# Altium PCB SX-SCPCB-014-V1.1_开关控制环型LED.PcbDoc (part 1 of 2)
Units mm, origin at the board's own origin, x right, y up, seen from the top; angles counter-clockwise.
Board outline 114.98 x 95 mm, 2 copper layers (Top Layer, Bottom Layer); 91 components, 56 nets, 282 pads, 0 vias.
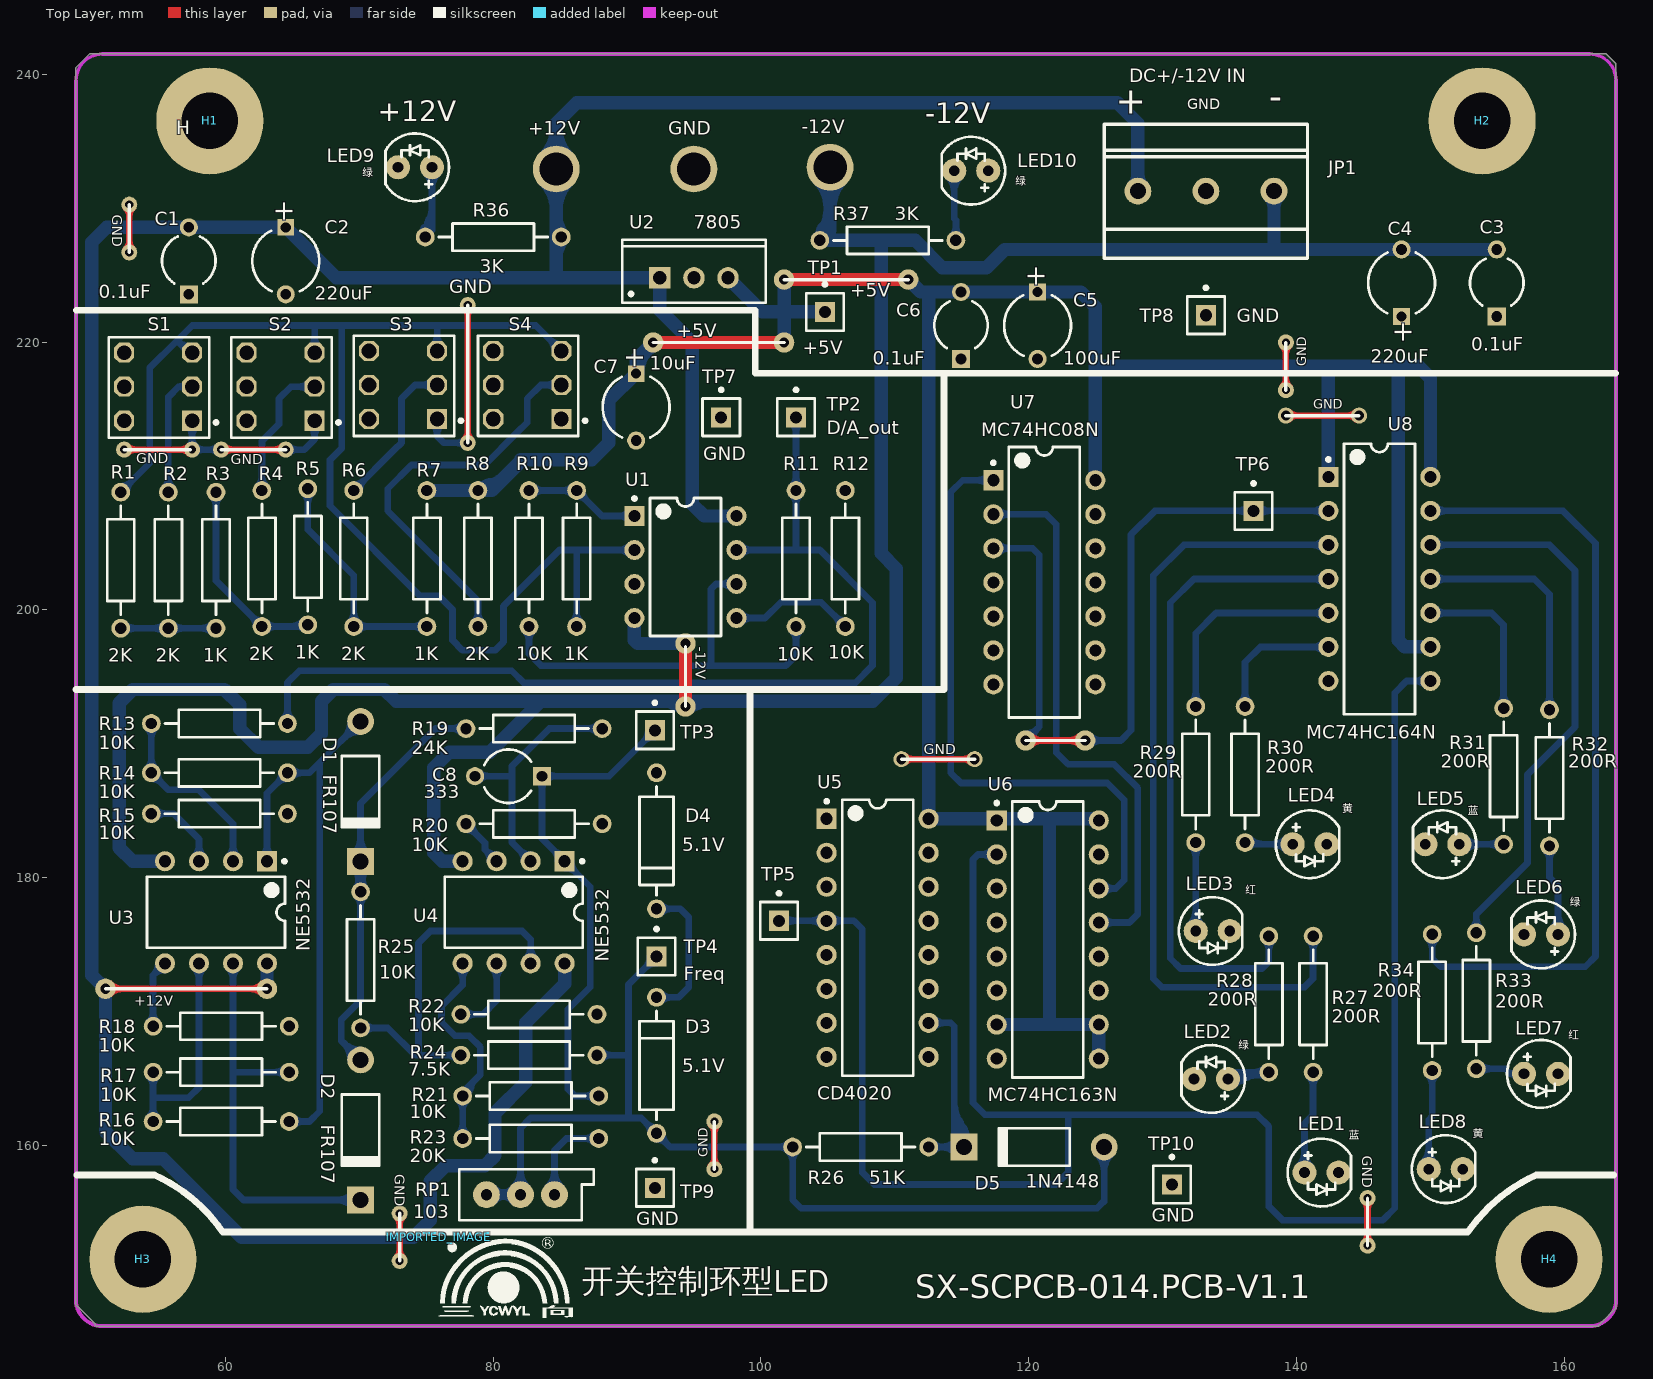
[diagram p0: Top Layer view]
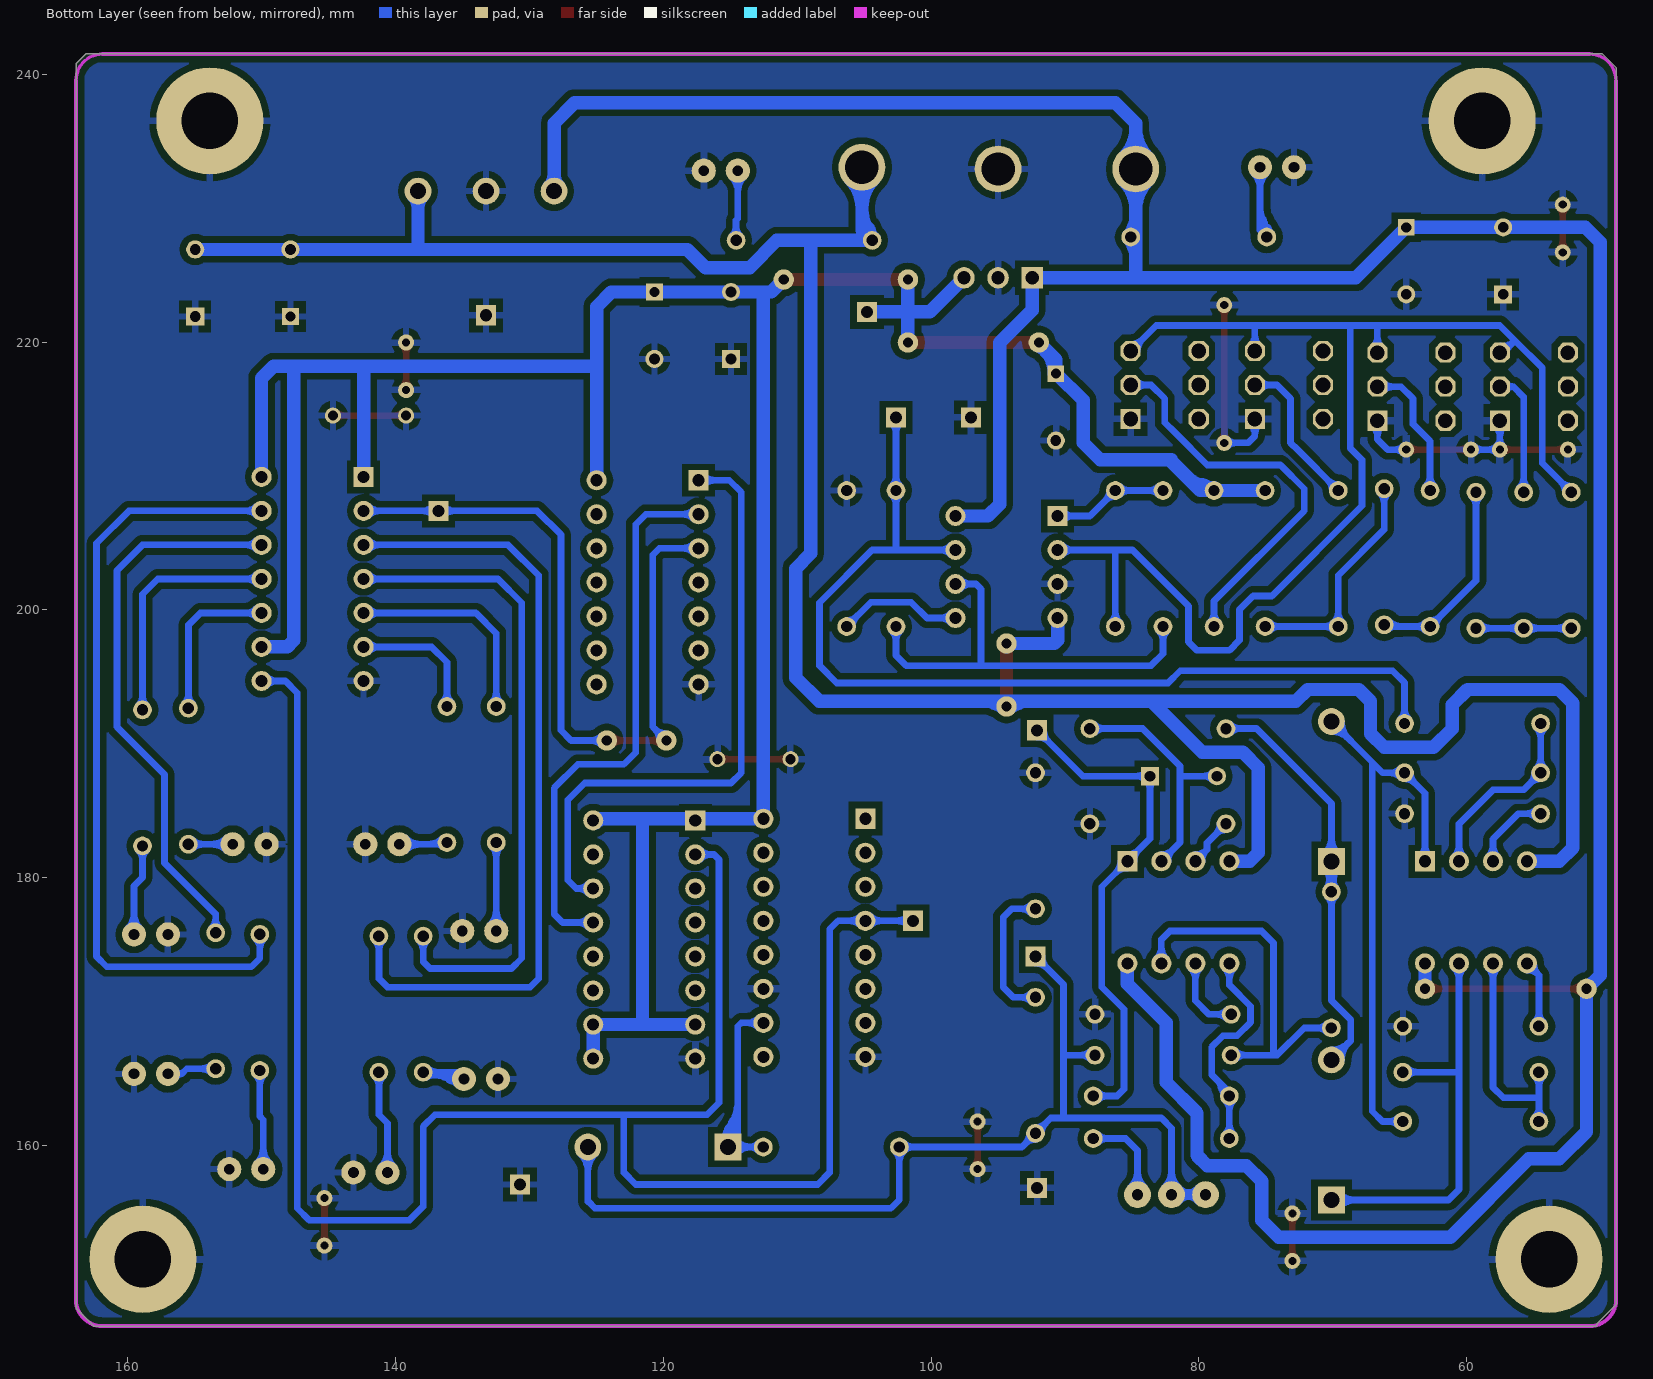
[diagram p1: Bottom Layer view, seen from below]

## Layer stack, top to bottom
Top Layer: signal copper 0.0356
Dielectric: dielectric 0.32, FR-4, Dk 4.8
Bottom Layer: signal copper 0.0356

## Board outline
50.292,146.558 50.292,146.685 48.895,148.082 48.848,148.129 48.848,149.479 48.848,240.491 49.784,241.427 49.868,241.511 51.308,241.511 163.111,241.511 163.83,240.792 163.83,239.014 163.83,147.828 162.56,146.558 162.513,146.511 161.848,146.511 50.339,146.511 50.292,146.558

## Design rules (kind name [scope] priority, off if disabled: settings)
Clearance [All] p1: gap=0.5
FabricationTestpoint [(IsPad And (OnTopLayer Or OnBottomLayer))] p1: side=3 testpointundercomponent=TRUE minsize=1.016 maxsize=2.54 preferedsize=1.524 minholesize=0 maxholesize=1.016 preferedholesize=0.813 testpointgrid=0.025 allowsidetop=TRUE allowsidebottom=TRUE usegrid=TRUE gridtolerance=0
HoleSize [All] p1: absolutevalues=TRUE maxlimit=5 minlimit=0.025 maxpercent=80.000 minpercent=20.000
PlaneConnect [All] p1: planeconnectstyle=Relief reliefexpansion=0.508 reliefentries=4 reliefconductorwidth=1 reliefairgap=0.254
PolygonConnect [All] p1: connectstyle=Relief reliefconductorwidth=0.5 reliefentries=4 polygonreliefangle="90 Angle"
RoutingLayers [All] p1: top layer_v5=FALSE bottom layer_v5=TRUE
RoutingPriority [InNetClass('电源')] p1:
RoutingVias [All] p1: holewidth=0.711 width=1.27 viastyle="Through Hole" minholewidth=0.711 minwidth=1.27 maxholewidth=0.711 maxwidth=1.27
SilkscreenOverComponentPads [All] p1: minsilkscreentomaskgap=0.254
SolderMaskExpansion [All] p1: expansion=0.102
Width Width_1 [All] p1: maxlimit=5 minlimit=0.254 preferedwidth=0.5
22 further rules are at their usual default settings.

## Classes and differential pairs
component class 开关控制环型LED: C1 C2 C3 C4 C5 C6 C7 C8 D1 D2 D3 D4 D5 LED1 LED2 LED3 LED4 LED5 LED6 LED7 LED8 LED9 LED10 R1 R2 R3 R4 R5 R6 R7 R8 R9 R10 R11 R12 R13 R14 R15 R16 R17 R18 R19 R20 R21 R22 R23 R24 R25 R26 R27 R28 R29 R30 R31 R32 R33 R34 R36 R37 RP1 S1 S2 S3 S4 TP1 TP2 TP3 TP4 TP5 TP6 TP7 TP8 TP9 TP10 U1 U2 U3 U4 U5 U6 U7 U8
net class 电源: +5V +12V -12V
net class 零地: GND
net class 信号控制: D/A_OUT FREQ NetC8_1 NetC8_2 NetD1_1 NetD1_2 NetD2_2 NetD3_1 NetD3_2 NetD5_2 NetLED1_1 NetLED2_1 NetLED3_1 NetLED4_1 NetLED5_1 NetLED6_1 NetLED7_1 NetLED8_1 NetLED9_1 NetLED10_1 NetR1_1 NetR1_2 NetR2_2 NetR3_2 NetR4_2 NetR5_2 NetR6_2 NetR8_2 NetR9_2 NetR10_1 NetR12_1 NetR13_1 NetR15_1 NetR16_1 NetR18_1 NetR20_2 NetR21_1 NetR22_2 NetR23_1 NetR24_2 NetR27_1 NetR28_1 NetR29_1 NetR30_1 NetR31_1 NetR32_1 NetR33_1 NetR34_1 NetTP5_1 NetTP6_1 NetU6_13 NetU6_14

## Components (designator, comment, footprint, x,y, rotation, side; value= is the part's Value field where it differs from the comment)
+12V "TP" 端子 84.709,232.918 r0 top
-12V "TP" 端子 105.156,233.045 r0 top
C1 "0.1uF" CAPR5-4X5 57.277,226.06 r90 top
C2 "220uF" CAPPR5-5x5 64.516,226.06 r270 top
C3 "0.1uF" CAPR5-4X5 154.94,224.409 r90 top
C4 "220uF" CAPPR5-5x5 147.828,224.409 r90 top
C5 "100uF" CAPPR5-5x5 120.65,221.234 r270 top
C6 "0.1uF" CAPR5-4X5 114.935,221.234 r90 top
C7 "10uF" CAPPR5-5x5 90.678,215.138 r270 top
C8 "333" CAPR5-4X5 81.153,187.579 r180 top
D1 "FR107" DO-41 70.104,186.436 r270 top
D2 "FR107" DO-41 70.104,161.163 r270 top
D3 "5.1V" DIODE-0.4 92.202,165.989 r90 top
D4 "5.1V" DIODE-0.4 92.202,182.753 r270 top
D5 "1N4148" DO-41 120.396,159.893 r180 top
GND "TP" 端子 94.996,232.918 r0 top
H1 "H" 定位柱#1 56.848,235.011 r0 top
H2 "H" 定位柱#2 154.848,231.511 r0 top
H3 "H" 定位柱#3 57.848,153.011 r0 top
H4 "H" 定位柱#4 153.348,153.511 r0 top
IMPORTED_IMAGE "Comment" IMPORTED_IMAGE 75.946,153.162 r0 top
JP1 "DC+/-12V IN" PIN3_5.08 138.303,231.267 r270 top
LED1 "" LED3 140.589,157.988 r0 top
LED2 "" LED3 134.874,164.973 r180 top
LED3 "" LED3 132.461,176.022 r0 top
LED4 "" LED3 139.7,182.499 r0 top
LED5 "" LED3 152.146,182.499 r180 top
LED6 "" LED3 159.512,175.768 r180 top
LED7 "" LED3 156.972,165.354 r0 top
LED8 "" LED3 149.86,158.242 r0 top
LED9 "" LED3 75.438,233.045 r180 top
LED10 "" LED3 116.967,232.791 r180 top
R1 "2K" AXIAL-0.4 52.197,203.708 r90 top
R2 "2K" AXIAL-0.4 55.753,203.708 r90 top
R3 "1K" AXIAL-0.4 59.309,203.708 r90 top
R4 "2K" AXIAL-0.4 62.738,203.835 r90 top
R5 "1K" AXIAL-0.4 66.167,203.962 r90 top
R6 "2K" AXIAL-0.4 69.596,203.835 r90 top
R7 "1K" AXIAL-0.4 75.057,203.835 r90 top
R8 "2K" AXIAL-0.4 78.867,203.835 r270 top
R9 "1K" AXIAL-0.4 86.233,203.835 r90 top
R10 "10K" AXIAL-0.4 82.677,203.835 r90 top
R11 "10K" AXIAL-0.4 102.616,203.835 r270 top
R12 "10K" AXIAL-0.4 106.299,203.835 r90 top
R13 "10K" AXIAL-0.4 59.563,191.516 r0 top
R14 "10K" AXIAL-0.4 59.563,187.833 r180 top
R15 "10K" AXIAL-0.4 59.563,184.785 r0 top
R16 "10K" AXIAL-0.4 59.69,161.798 r0 top
R17 "10K" AXIAL-0.4 59.69,165.481 r180 top
R18 "10K" AXIAL-0.4 59.69,168.91 r0 top
R19 "24K" AXIAL-0.4 83.058,191.135 r180 top
R20 "10K" AXIAL-0.4 83.058,184.023 r180 top
R21 "10K" AXIAL-0.4 82.804,163.703 r0 top
R22 "10K" AXIAL-0.4 82.677,169.799 r180 top
R23 "20K" AXIAL-0.4 82.804,160.528 r180 top
R24 "7.5K" AXIAL-0.4 82.677,166.751 r180 top
R25 "10K" AXIAL-0.4 70.104,173.863 r90 top
R26 "51K" AXIAL-0.4 107.442,159.893 r180 top
R27 "200R" AXIAL-0.4 141.224,170.561 r270 top
R28 "200R" AXIAL-0.4 137.922,170.561 r270 top
R29 "200R" AXIAL-0.4 132.461,187.706 r270 top
R30 "200R" AXIAL-0.4 136.144,187.706 r270 top
R31 "200R" AXIAL-0.4 155.448,187.579 r270 top
R32 "200R" AXIAL-0.4 158.877,187.452 r270 top
R33 "200R" AXIAL-0.4 153.416,170.815 r270 top
R34 "200R" AXIAL-0.4 150.114,170.688 r270 top
R36 "3K" AXIAL-0.4 80.01,227.838 r180 top
R37 "3K" AXIAL-0.4 109.474,227.584 r0 top
RP1 "103" 可调电位器 84.582,156.337 r90 top
S1 "SW-SPDT" 自锁开关#1 57.531,214.122 r180 top
S2 "SW-SPDT" 自锁开关#2 66.675,214.122 r180 top
S3 "SW-SPDT" 自锁开关#2 75.819,214.249 r180 top
S4 "SW-SPDT" 自锁开关#2 85.09,214.249 r180 top
TP1 "+5V" PIN1 104.775,222.25 r0 top
TP2 "D/A_out" PIN1 102.616,214.376 r0 top
TP3 "" PIN1 92.075,191.008 r0 top
TP4 "" PIN1 92.202,174.117 r0 top
TP5 "" PIN1 101.346,176.784 r0 top
TP6 "" PIN1 136.779,207.391 r0 top
TP7 "GND" PIN1 97.028,214.376 r0 top
TP8 "GND" PIN1 133.223,221.996 r0 top
TP9 "GND" PIN1 92.075,156.845 r0 top
TP10 "GND" PIN1 130.683,157.099 r0 top
U1 "NE5532" DIP-8 94.361,203.2 r0 top
U2 "7805" TO-220AB 94.996,224.79 r0 top
U3 "NE5532" DIP-8 59.309,177.419 r270 top
U4 "NE5532" DIP-8 81.534,177.419 r270 top
U5 "CD4020" DIP-16 108.712,175.514 r0 top
U6 "MC74HC163N" DIP-16 121.412,175.387 r0 top
U7 "MC74HC08N" DIP-14 121.158,202.057 r0 top
U8 "MC74HC164N" DIP-14 146.177,202.311 r0 top

## Footprints (in the part's own frame and the unit in brackets; to place one, negate y for a bottom-side part, rotate by r counter-clockwise, add the part's x,y. Pads: shape width x height; smd on the part's side, far side on the other; paste and mask are expansions set on the pad)
AXIAL-0.4 [mm] "Axial Devic"
  round 1.4 hole 0.85: 1(-5.08,0) 2(5.08,0)
  silkscreen extent -4.06,-1.02 4.06,1.02
CAPPR5-5x5 [mm] "Capacitor, Electrolytic,"
  rect 1.25x1.25 hole 0.75: 1(-2.5,0)
  round 1.35 hole 0.8: 2(2.5,0)
  silkscreen extent -2.26,-2.5 2.27,2.5
CAPR5-4X5 [mm]
  rect 1.35x1.35 hole 0.8: 1(-2.5,0)
  round 1.35 hole 0.8: 2(2.5,0)
  silkscreen extent -1.69,-2 1.82,2
DIODE-0.4 [mm] "Diode, Th"
  round 1.4 hole 0.85: 1(-5.08,0) 2(5.08,0)
  silkscreen extent -4.06,-1.27 4.06,1.27
DIP-8 [mm] "DIP; 8"
  rect 1.5x1.5 hole 0.9: 1(-3.81,3.81)
  round 1.5 hole 0.9: 2(-3.81,1.27) 3(-3.81,-1.27) 4(-3.81,-3.81) 5(3.81,-3.81) 6(3.81,-1.27) 7(3.81,1.27) 8(3.81,3.81)
  silkscreen extent -3.93,-5.15 2.65,5.23, body extent -3.6,-5.15 3.6,5.15, height 5.08
DIP-14 [mm] "DIP; 14"
  rect 1.5x1.5 hole 0.9: 1(-3.81,7.62)
  round 1.5 hole 0.9: 2(-3.81,5.08) 3(-3.81,2.54) 4(-3.81,0) 5(-3.81,-2.54) 6(-3.81,-5.08) 7(-3.81,-7.62) 8(3.81,-7.62) 9(3.81,-5.08) 10(3.81,-2.54) 11(3.81,0) 12(3.81,2.54) 13(3.81,5.08) 14(3.81,7.62)
  silkscreen extent -3.93,-10.1 2.65,10.1, body extent -3.6,-10.1 3.6,10.1, height 5.08
DIP-16 [mm] "DIP; 16"
  rect 1.5x1.5 hole 0.9: 1(-3.81,8.89)
  round 1.5 hole 0.9: 2(-3.81,6.35) 3(-3.81,3.81) 4(-3.81,1.27) 5(-3.81,-1.27) 6(-3.81,-3.81) 7(-3.81,-6.35) 8(-3.81,-8.89) 9(3.81,-8.89) 10(3.81,-6.35) 11(3.81,-3.81) 12(3.81,-1.27) 13(3.81,1.27) 14(3.81,3.81) 15(3.81,6.35) 16(3.81,8.89)
  silkscreen extent -3.93,-10.3 2.65,10.31, body extent -3.6,-10.28 3.6,10.28, height 5.08
DO-41 [mm] "Diode, Axial; Body 5.2 x 2.7"
  round 2 hole 1.2: 1(-5.23,0)
  rect 2x2 hole 1.2: 2(5.23,0)
  silkscreen extent -2.65,-1.4 2.75,1.4
IMPORTED_IMAGE [mm]
  silkscreen extent 0,-6 10,0
LED3 [mm]
  round 1.8 hole 0.8: 1(0,0) 2(2.54,0)
  silkscreen extent -1.26,-2.53 3.47,2.53
PIN1 [mm]
  rect 1.5x1.5 hole 0.9: 1(0,0)
  silkscreen extent -1.4,-1.4 1.4,2.17
PIN3_5.08 [mm]
  round 2 hole 1.2: 1(0,-10.16) 2(0,-5.08) 3(0,0)
  silkscreen extent -5,-12.66 5,2.5
TO-220AB [mm] "TO, Thru-Hole, Vertical, Heatsin"
  rect 1.6x1.6 hole 1: 1(-2.54,0)
  round 1.6 hole 1: 2(0,0) 3(2.54,0)
  silkscreen extent -5.35,-1.85 5.35,2.85, body extent -5.4,-1.9 5.4,2.9, height 19.3
可调电位器 [mm]
  round 2 hole 0.85: 1(0,0) 2(0,2.54) 3(0,5.08)
  silkscreen extent -1.91,-2.92 1.91,7.11
定位柱#1 [mm]
  round 8 hole 4.2: 1(2,1.5)
定位柱#2 [mm]
  round 8 hole 4.2: 1(-1,5)
定位柱#3 [mm]
  round 8 hole 4.2: 1(-4,-1.5)
定位柱#4 [mm]
  round 8 hole 4.2: 1(5.5,-2)
端子 [mm]
  round 3.5 hole 2.5: 1(0,0)
自锁开关#1 [mil]
  oct 59x59 hole 43.31: 1(0,-200) 2(0,-100) 4(200,-200) 5(200,-100) 6(200,0)
  rect 59x59 hole 43.31: 3(0,0)
  silkscreen extent -75,-245 245,50
自锁开关#2 [mil]
  oct 59x59 hole 43.31: 1(0,-100) 2(0,-200) 4(200,-200) 5(200,-100) 6(200,0)
  rect 59x59 hole 43.31: 3(0,0)
  silkscreen extent -75,-245 245,50

## Part data
C2 C4 C5 C7: library part "Cap Pol2", "Polarized Capacitor (Axial)"
D1 D2 D5: library part "Diode 1N4007", "1 Amp General Purpose Rectifier"
D3 D4: library part "D Zener", "Zener Diode"
R1 R2 R3 R4 R5 R6 R7 R8 R9 R10 R11 R12 R13 R14 R15 R16 R17 R18 R19 R20 R21 R22 R23 R24 R25 R26 R27 R28 R29 R30 R31 R32 R33 R34 R36 R37: library part Res2, "Resistor"
TP1 TP2 TP3 TP4 TP5 TP6 TP7 TP8 TP9 TP10: library part Antenna
U1 U3 U4: library part NE5532AJG, "Dual Low-Noise Operational Amplifier"
U2: library part "Volt Reg", "Voltage Regulator"
U5: library part HCC4020BF, "14-Stage Ripple-Carry Binary Counter/Divider"
U6: "Presettable 4-Bit Binary Counter with Synchronous Reset"
U7: library part MM74HC08N, "Quad 2-Input AND Gate"
U8: "8-Bit Serial-Input/Parallel-Output Shift Register"

## Free pads (board coordinates)
  round 1.524 hole 0.762: 0(91.948,219.964) 0(119.761,190.246) 1(101.727,219.964) 1(124.206,190.246) 2(101.727,224.663) 3(110.998,224.663) 4(94.361,197.485) 5(94.361,192.786) 6(51.054,171.704) 7(63.119,171.704)
  round 1.2 hole 0.762: 0(110.49,188.849) 0(139.192,214.503) 1(115.951,188.849) 1(144.653,214.503)
  round 1.2 hole 0.6: 2(52.451,211.963) 2(52.832,226.695) 2(52.832,230.251) 2(57.531,211.963) 2(59.69,211.963) 2(64.516,211.963) 2(73.025,151.384) 2(73.025,154.94) 2(78.105,212.471) 2(78.105,222.758) 2(96.52,158.242) 2(96.52,161.798) 2(139.192,216.408) 2(139.192,219.964) 2(145.288,152.527) 2(145.288,156.083)

## Nets (pads, with @x,y where several pads share a name; then routed paths per layer and width w, separated by ;. In a path a pad name is that pad's centre, name@x,y a point inside that pad or via, vN(x,y) a via of type N, cw(c..) or ccw(c..) an arc to the next point about the centre after c; other vN are vias at no path point)
+5V: C5.1 C6.2 C7.1 pad.0@91.948,219.964 pad.1@101.727,219.964 pad.2@101.727,224.663 pad.3 R7.2 R8.1 TP1.1 U2.3 U5.16 U6.1 U6.7 U6.9 U6.10 U6.16 U7.14 U8.1 U8.9 U8.14 | length 241.2
  Top Layer w1: pad.0@91.821,219.964 pad.1@101.727,219.964 ; pad.2@101.727,224.663 pad.3@110.998,224.663
  Bottom Layer w1: R7.2@75.057,208.915 79.883,208.915 82.042,211.074 82.042,211.201 87.376,211.201 88.646,212.471 88.646,215.646 90.638,217.638 C7.1@90.678,217.638 90.678,218.694 pad.0@91.948,219.964 ; R8.1@79.04,208.815 cw(c80.03,208.244) 79.734,209.347 ; 91.397,219.236 cw(c92.28,218.726) pad.0@92.016,219.711 ; U2.3@97.536,224.79 100.076,222.25 TP1.1@104.775,222.25 ; pad.1@101.727,219.964 pad.2@101.727,224.663 ; pad.3@110.998,224.663 111.927,223.734 123.865,223.734 124.968,222.631 U7.14@124.968,209.677 ; 112.522,223.734 U5.16@112.522,184.404 125.095,184.404 U6.16@125.222,184.277 ; U6.7@117.602,169.037 U6.10@125.222,169.037 U6.9@125.222,166.497 ; 121.539,169.037 121.539,184.404 ; 124.968,218.186 149.098,218.186 149.987,217.297 U8.14@149.987,209.931 ; U8.1@142.367,209.931 142.367,218.059 ; 147.574,218.186 147.574,197.739 148.082,197.231 U8.9@149.987,197.231 ; R8.1@78.867,209.115 ccw(c78.867,212.051) 80.943,209.975 cw(c78.867,212.051) R8.1@78.867,209.115 ; C7.1@90.803,217.638 cw(c93.654,217.638) 91.638,219.654 ccw(c93.654,217.638) C7.1@90.803,217.638 ; 116.692,184.404 cw(c116.692,183.367) 117.425,184.1 ccw(c116.692,183.367) 116.692,184.404 ; U6.1@117.779,184.1 cw(c118.512,183.367) 118.512,184.404 ccw(c118.512,183.367) U6.1@117.779,184.1 ; 124.312,184.404 cw(c124.312,183.367) 125.045,184.1 ccw(c124.312,183.367) 124.312,184.404
+12V: +12V.1 C1.2 C2.1 JP1.1 pad.6 pad.7 R36.1 U1.8 U2.1 U3.8 U4.8 | length 299.5
  Top Layer w0.5: pad.6@51.054,171.704 pad.7@63.119,171.704 ; 52.29,171.704 cw(c52.29,172.94) 51.416,172.066 ccw(c52.29,172.94) 52.29,171.704 ; 52.29,171.704 ccw(c52.29,170.468) 51.416,171.342 cw(c52.29,170.468) 52.29,171.704 ; 61.883,171.704 cw(c61.883,170.468) 62.757,171.342 ccw(c61.883,170.468) 61.883,171.704 ; 61.883,171.704 ccw(c61.883,172.94) 62.757,172.066 cw(c61.883,172.94) 61.883,171.704
  Bottom Layer w1: pad.7@63.119,171.704 U3.8@63.119,173.609 ; 84.709,224.79 84.709,236.347 86.233,237.871 126.619,237.871 128.143,236.347 JP1.1@128.143,231.267 ; R36.1@84.709,228.219 R36.1@85.09,227.838 ; 84.826,226.994 ccw(c84.007,227.466) R36.1@84.901,227.773 ; 84.826,228.682 cw(c84.007,228.21) R36.1@84.901,227.903 ; U4.8@85.344,173.609 85.344,172.085 82.423,169.164 82.423,164.719 80.137,162.433 80.137,159.258 79.375,158.496 76.454,158.496 75.311,157.353 75.311,154.432 74.041,153.162 61.214,153.162 55.372,159.004 53.086,159.004 51.054,161.036 pad.6@51.054,171.704 50.038,172.72 50.038,227.457 51.141,228.56 C2.1@64.516,228.56 68.286,224.79 U2.1@92.456,224.79 92.456,222.377 94.869,219.964 94.869,207.899 95.758,207.01 U1.8@98.171,207.01 ; 84.709,229.9 cw(c87.727,229.9) 85.593,232.034 ccw(c87.727,229.9) 84.709,229.9 ; 84.709,229.9 ccw(c81.691,229.9) 83.825,232.034 cw(c81.691,229.9) 84.709,229.9 ; 84.709,235.936 cw(c81.691,235.936) 83.825,233.802 ccw(c81.691,235.936) 84.709,235.936 ; 84.709,235.936 ccw(c87.727,235.936) 85.593,233.802 cw(c87.727,235.936) 84.709,235.936 ; 128.143,232.474 cw(c126.936,232.474) 127.789,231.621 ccw(c126.936,232.474) 128.143,232.474 ; 128.143,232.474 ccw(c129.35,232.474) 128.497,231.621 cw(c129.35,232.474) 128.143,232.474 ; 84.709,226.435 cw(c86.493,226.435) 85.231,227.697 ccw(c86.493,226.435) 84.709,226.435 ; 84.709,229.241 ccw(c86.493,229.241) 85.231,227.979 cw(c86.493,229.241) 84.709,229.241
-12V: -12V.1 C3.2 C4.2 JP1.3 pad.4 pad.5 R37.1 U1.4 U3.4 U4.4 | length 231.1
  Top Layer w1: pad.5@94.361,192.786 pad.4@94.361,197.231
  Bottom Layer w1: U3.4@55.499,181.229 53.086,181.229 52.07,182.245 52.07,193.04 53.086,194.056 59.944,194.056 61.087,192.913 61.087,191.135 62.484,189.738 66.167,189.738 67.183,190.754 67.183,193.167 68.072,194.056 71.882,194.056 72.771,193.167 83.566,193.167 ; U4.4@77.724,181.229 76.2,181.229 75.565,181.864 75.565,188.214 76.708,189.357 79.756,189.357 83.566,193.167 ; U1.4@90.551,199.39 90.551,197.739 90.805,197.485 94.107,197.485 pad.4@94.361,197.231 ; 93.436,193.028 ccw(c93.846,193.739) pad.5@94.237,193.017 ; pad.5@94.485,193.017 ccw(c94.876,193.739) 95.286,193.028 ; R37.1@104.587,227.636 cw(c105.691,227.931) 104.701,228.503 ; -12V.1@105.156,233.045 105.156,228.346 R37.1@104.394,227.584 108.966,227.584 ; JP1.3@138.303,231.267 138.303,226.909 ; C3.2@154.94,226.909 C4.2@147.828,226.909 138.303,226.909 ; 83.566,193.167 108.331,193.167 110.109,194.945 110.109,203.073 108.966,204.216 108.966,227.584 ; 105.156,230.027 cw(c108.174,230.027) 106.04,232.161 ccw(c108.174,230.027) 105.156,230.027 ; 105.156,230.027 ccw(c102.138,230.027) 104.272,232.161 cw(c102.138,230.027) 105.156,230.027 ; 108.966,227.584 111.506,227.584 113.538,225.552 116.84,225.552 118.197,226.909 138.303,226.909 ; 138.303,230.06 cw(c139.51,230.06) 138.657,230.913 ccw(c139.51,230.06) 138.303,230.06 ; 138.303,230.06 ccw(c137.096,230.06) 137.949,230.913 cw(c137.096,230.06) 138.303,230.06 ; 92.809,193.167 cw(c92.809,191.234) 94.176,192.601 ccw(c92.809,191.234) 92.809,193.167 ; pad.5@94.546,192.601 cw(c95.913,191.234) 95.913,193.167 ccw(c95.913,191.234) pad.5@94.546,192.601 ; R37.1@104.253,227.725 ccw(c102.072,229.906) 105.156,229.906 cw(c102.072,229.906) R37.1@104.253,227.725
D/A_OUT: R11.1 R13.2 TP2.1 U1.7 | length 92.1
  Bottom Layer w0.5: R13.2@64.643,191.516 64.643,194.564 65.532,195.453 81.387,195.453 82.296,194.544 107.041,194.544 108.331,195.834 108.331,200.533 104.394,204.47 U1.7@98.171,204.47 ; 102.616,204.597 R11.1@102.616,208.915 TP2.1@102.616,214.376 ; 64.643,192.602 cw(c63.557,192.602) 64.325,191.834 ccw(c63.557,192.602) 64.643,192.602 ; 64.643,192.602 ccw(c65.729,192.602) 64.961,191.834 cw(c65.729,192.602) 64.643,192.602 ; 99.378,204.47 cw(c99.378,205.677) 98.525,204.824 ccw(c99.378,205.677) 99.378,204.47 ; 99.378,204.47 ccw(c99.378,203.263) 98.525,204.116 cw(c99.378,203.263) 99.378,204.47 ; 102.616,207.829 cw(c103.702,207.829) 102.934,208.597 ccw(c103.702,207.829) 102.616,207.829 ; 102.616,207.829 ccw(c101.53,207.829) 102.298,208.597 cw(c101.53,207.829) 102.616,207.829 ; 102.616,210.001 cw(c101.53,210.001) 102.298,209.233 ccw(c101.53,210.001) 102.616,210.001 ; 102.616,210.001 ccw(c103.702,210.001) 102.934,209.233 cw(c103.702,210.001) 102.616,210.001 ; 102.616,213.169 cw(c103.823,213.169) 102.97,214.022 ccw(c103.823,213.169) 102.616,213.169 ; 102.616,213.169 ccw(c101.409,213.169) 102.262,214.022 cw(c101.409,213.169) 102.616,213.169
FREQ: D3.1 D5.1 R24.1 R26.2 RP1.2 RP1.3 TP4.1 | length 129.6
  Bottom Layer w0.5: RP1.3@79.502,156.337 RP1.2@82.042,156.337 82.042,161.29 82.804,162.052 90.17,162.052 ; RP1.3@80.124,155.918 cw(c80.655,155.561) 80.821,156.179 cw(c81.098,157.213) RP1.3@80.159,156.698 ; RP1.3@80.124,156.756 ccw(c80.655,157.113) 80.821,156.495 ccw(c81.098,155.461) RP1.3@80.159,155.976 ; R24.1@87.757,166.751 90.106,166.751 ; TP4.1@92.202,174.117 90.106,172.022 90.106,166.751 ; 125.626,155.829 D5.1@125.626,159.893 ; 125.626,155.852 125.095,155.321 102.997,155.321 102.362,155.956 R26.2@102.362,159.893 93.218,159.893 D3.1@92.202,160.909 91.059,162.052 90.17,162.052 ; RP1.3@80.231,156.337 cw(c80.231,154.526) 81.512,155.807 ccw(c80.231,154.526) RP1.3@80.231,156.337 ; RP1.3@80.231,156.337 ccw(c80.231,158.148) RP1.2@81.512,156.867 ; RP1.3@80.231,156.337 ccw(c80.231,158.148) RP1.2@81.512,156.867 ; 80.723,156.179 ccw(c80.446,157.213) 81.385,156.698 cw(c80.446,157.213) 80.723,156.179 ; 80.723,156.179 cw(c80.889,155.561) 81.42,155.918 ccw(c80.889,155.561) 80.723,156.179 ; 80.723,156.495 ccw(c80.889,157.113) 81.42,156.756 cw(c80.889,157.113) 80.723,156.495 ; 80.723,156.495 cw(c80.446,155.461) 81.385,155.976 ccw(c80.446,155.461) 80.723,156.495 ; RP1.2@81.313,156.337 cw(c81.313,158.148) 80.032,156.867 ccw(c81.313,158.148) RP1.2@81.313,156.337 ; RP1.2@81.313,156.337 ccw(c81.313,154.526) 80.032,155.807 cw(c81.313,154.526) RP1.2@81.313,156.337 ; RP1.2@81.512,156.867 ccw(c80.231,158.148) 82.042,158.148 ; RP1.2@81.512,156.867 ccw(c80.231,158.148) 82.042,158.148 ; 82.042,158.148 ccw(c83.853,158.148) 82.572,156.867 cw(c83.853,158.148) 82.042,158.148 ; 88.843,166.751 cw(c88.843,167.837) 88.075,167.069 ccw(c88.843,167.837) 88.843,166.751 ; 88.843,166.751 ccw(c88.843,165.665) 88.075,166.433 cw(c88.843,165.665) 88.843,166.751 ; 90.106,166.751 90.106,162.115 90.17,162.052 ; 91.348,173.263 cw(c92.202,172.41) 92.202,173.617 ccw(c92.202,172.41) 91.348,173.263 ; 91.348,173.263 ccw(c90.495,174.117) 91.702,174.117 cw(c90.495,174.117) 91.348,173.263 ; 91.434,161.677 cw(c90.666,160.909) 91.752,160.909 ccw(c90.666,160.909) 91.434,161.677 ; 91.434,161.677 ccw(c92.202,162.445) 92.202,161.359 cw(c92.202,162.445) 91.434,161.677 ; 92.97,160.141 cw(c93.738,160.909) 92.652,160.909 ccw(c93.738,160.909) 92.97,160.141 ; 92.97,160.141 ccw(c92.202,159.373) 92.202,160.459 cw(c92.202,159.373) 92.97,160.141 ; 101.276,159.893 cw(c101.276,158.807) R26.2@102.044,159.575 ; 101.276,159.893 ccw(c101.276,160.979) 102.044,160.211 cw(c101.276,160.979) 101.276,159.893 ; 101.276,159.893 cw(c101.276,158.807) R26.2@102.044,159.575 ; R26.2@102.044,159.575 cw(c101.276,158.807) 102.362,158.807 ; R26.2@102.044,159.575 cw(c101.276,158.807) 102.362,158.807 ; 102.362,158.807 cw(c103.448,158.807) 102.68,159.575 ccw(c103.448,158.807) 102.362,158.807 ; 125.626,158.082 cw(c127.437,158.082) 126.156,159.363 ccw(c127.437,158.082) 125.626,158.082 ; 125.626,158.082 ccw(c123.815,158.082) 125.096,159.363 cw(c123.815,158.082) 125.626,158.082
GND: C1.1 C2.2 C3.1 C4.1 C5.2 C6.1 C7.2 D4.1 GND.1 H1.1 H2.1 H3.1 H4.1 JP1.2 LED1.2 LED2.2 LED3.2 LED4.2 LED5.2 LED6.2 LED7.2 LED8.2 LED9.2 LED10.1 pad.0@110.49,188.849 pad.0@139.192,214.503 pad.1@115.951,188.849 pad.1@144.653,214.503 pad.2@52.451,211.963 pad.2@52.832,226.695 pad.2@52.832,230.251 pad.2@57.531,211.963 pad.2@59.69,211.963 pad.2@64.516,211.963 pad.2@73.025,151.384 pad.2@73.025,154.94 pad.2@78.105,212.471 pad.2@78.105,222.758 pad.2@96.52,158.242 pad.2@96.52,161.798 pad.2@139.192,216.408 pad.2@139.192,219.964 pad.2@145.288,152.527 pad.2@145.288,156.083 R12.2 R15.2 R18.2 R20.1 R22.1 S1.3 S2.3 S3.3 S4.3 TP7.1 TP8.1 TP9.1 TP10.1 U1.3 U2.2 U5.8 U5.11 U6.8 U7.7 U8.7 | length 138.6
  Top Layer w0.5: pad.2@52.451,211.963 pad.2@57.531,211.963 ; pad.2@52.832,226.695 pad.2@52.832,230.251 ; pad.2@59.69,211.963 pad.2@64.516,211.963 ; pad.2@73.025,151.384 pad.2@73.025,154.94 ; pad.2@78.105,212.471 pad.2@78.105,222.758 ; pad.2@96.52,158.242 pad.2@96.52,161.798 ; pad.0@110.49,188.849 pad.1@115.951,188.849 ; pad.0@139.192,214.503 pad.1@144.653,214.503 ; pad.2@139.192,216.408 pad.2@139.192,219.964 ; pad.2@145.288,152.527 pad.2@145.288,156.083 ; 52.832,227.54 cw(c51.987,227.54) 52.585,226.942 ccw(c51.987,227.54) 52.832,227.54 ; 52.832,227.54 ccw(c53.677,227.54) 53.079,226.942 cw(c53.677,227.54) 52.832,227.54 ; 52.832,229.406 cw(c53.677,229.406) 53.079,230.004 ccw(c53.677,229.406) 52.832,229.406 ; 52.832,229.406 ccw(c51.987,229.406) 52.585,230.004 cw(c51.987,229.406) 52.832,229.406 ; 53.296,211.963 cw(c53.296,212.808) 52.698,212.21 ccw(c53.296,212.808) 53.296,211.963 ; 53.296,211.963 ccw(c53.296,211.118) 52.698,211.716 cw(c53.296,211.118) 53.296,211.963 ; 56.686,211.963 cw(c56.686,211.118) 57.284,211.716 ccw(c56.686,211.118) 56.686,211.963 ; 56.686,211.963 ccw(c56.686,212.808) 57.284,212.21 cw(c56.686,212.808) 56.686,211.963 ; 60.535,211.963 cw(c60.535,212.808) 59.937,212.21 ccw(c60.535,212.808) 60.535,211.963 ; 60.535,211.963 ccw(c60.535,211.118) 59.937,211.716 cw(c60.535,211.118) 60.535,211.963 ; 63.671,211.963 cw(c63.671,211.118) 64.269,211.716 ccw(c63.671,211.118) 63.671,211.963 ; 63.671,211.963 ccw(c63.671,212.808) 64.269,212.21 cw(c63.671,212.808) 63.671,211.963 ; 73.025,152.229 cw(c72.18,152.229) 72.778,151.631 ccw(c72.18,152.229) 73.025,152.229 ; 73.025,152.229 ccw(c73.87,152.229) 73.272,151.631 cw(c73.87,152.229) 73.025,152.229 ; 73.025,154.095 cw(c73.87,154.095) 73.272,154.693 ccw(c73.87,154.095) 73.025,154.095 ; 73.025,154.095 ccw(c72.18,154.095) 72.778,154.693 cw(c72.18,154.095) 73.025,154.095 ; 78.105,213.316 cw(c77.26,213.316) 77.858,212.718 ccw(c77.26,213.316) 78.105,213.316 ; 78.105,213.316 ccw(c78.95,213.316) 78.352,212.718 cw(c78.95,213.316) 78.105,213.316 ; 78.105,221.913 cw(c78.95,221.913) 78.352,222.511 ccw(c78.95,221.913) 78.105,221.913 ; 78.105,221.913 ccw(c77.26,221.913) 77.858,222.511 cw(c77.26,221.913) 78.105,221.913 ; 96.52,159.087 cw(c95.675,159.087) 96.273,158.489 ccw(c95.675,159.087) 96.52,159.087 ; 96.52,159.087 ccw(c97.365,159.087) 96.767,158.489 cw(c97.365,159.087) 96.52,159.087 ; 96.52,160.953 cw(c97.365,160.953) 96.767,161.551 ccw(c97.365,160.953) 96.52,160.953 ; 96.52,160.953 ccw(c95.675,160.953) 96.273,161.551 cw(c95.675,160.953) 96.52,160.953 ; 111.335,188.849 cw(c111.335,189.694) 110.737,189.096 ccw(c111.335,189.694) 111.335,188.849 ; 111.335,188.849 ccw(c111.335,188.004) 110.737,188.602 cw(c111.335,188.004) 111.335,188.849 ; 115.106,188.849 cw(c115.106,188.004) 115.704,188.602 ccw(c115.106,188.004) 115.106,188.849 ; 115.106,188.849 ccw(c115.106,189.694) 115.704,189.096 cw(c115.106,189.694) 115.106,188.849 ; 139.192,217.253 cw(c138.347,217.253) 138.945,216.655 ccw(c138.347,217.253) 139.192,217.253 ; 139.192,217.253 ccw(c140.037,217.253) 139.439,216.655 cw(c140.037,217.253) 139.192,217.253 ; 139.192,219.119 cw(c140.037,219.119) 139.439,219.717 ccw(c140.037,219.119) 139.192,219.119 ; 139.192,219.119 ccw(c138.347,219.119) 138.945,219.717 cw(c138.347,219.119) 139.192,219.119 ; 140.037,214.503 cw(c140.037,215.348) 139.439,214.75 ccw(c140.037,215.348) 140.037,214.503 ; 140.037,214.503 ccw(c140.037,213.658) 139.439,214.256 cw(c140.037,213.658) 140.037,214.503 ; 143.808,214.503 cw(c143.808,213.658) 144.406,214.256 ccw(c143.808,213.658) 143.808,214.503 ; 143.808,214.503 ccw(c143.808,215.348) 144.406,214.75 cw(c143.808,215.348) 143.808,214.503 ; 145.288,153.372 cw(c144.443,153.372) 145.041,152.774 ccw(c144.443,153.372) 145.288,153.372 ; 145.288,153.372 ccw(c146.133,153.372) 145.535,152.774 cw(c146.133,153.372) 145.288,153.372 ; 145.288,155.238 cw(c146.133,155.238) 145.535,155.836 ccw(c146.133,155.238) 145.288,155.238 ; 145.288,155.238 ccw(c144.443,155.238) 145.041,155.836 cw(c144.443,155.238) 145.288,155.238
  Bottom Layer w0.5: S1.3@57.531,214.122 pad.2@57.531,211.963 pad.2@59.69,211.963 ; pad.2@64.516,211.963 65.909,211.963 66.675,212.729 S2.3@66.675,214.122 ; S3.3@75.819,214.249 75.819,212.979 76.327,212.471 pad.2@78.105,212.471 ; 57.531,212.808 cw(c56.686,212.808) 57.284,212.21 ccw(c56.686,212.808) 57.531,212.808 ; 57.531,212.808 ccw(c58.376,212.808) pad.2@57.778,212.21 ; 57.531,212.808 ccw(c58.376,212.808) pad.2@57.778,212.21 ; 57.531,212.917 cw(c58.736,212.917) 57.884,213.769 ccw(c58.736,212.917) 57.531,212.917 ; 57.531,212.917 ccw(c56.326,212.917) 57.178,213.769 cw(c56.326,212.917) 57.531,212.917 ; pad.2@57.778,212.21 ccw(c58.376,212.808) 58.376,211.963 ; pad.2@57.778,212.21 ccw(c58.376,212.808) 58.376,211.963 ; 58.376,211.963 ccw(c58.376,211.118) 57.778,211.716 cw(c58.376,211.118) 58.376,211.963 ; 58.845,211.963 cw(c58.845,211.118) 59.443,211.716 ccw(c58.845,211.118) 58.845,211.963 ; 58.845,211.963 ccw(c58.845,212.808) 59.443,212.21 cw(c58.845,212.808) 58.845,211.963 ; 65.361,211.963 cw(c65.361,212.808) 64.763,212.21 ccw(c65.361,212.808) 65.361,211.963 ; 65.361,211.963 ccw(c65.361,211.118) 64.763,211.716 cw(c65.361,211.118) 65.361,211.963 ; 66.675,212.917 cw(c67.88,212.917) 67.028,213.769 ccw(c67.88,212.917) 66.675,212.917 ; 66.675,212.917 ccw(c65.47,212.917) 66.322,213.769 cw(c65.47,212.917) 66.675,212.917 ; 75.819,213.044 cw(c77.024,213.044) 76.172,213.896 ccw(c77.024,213.044) 75.819,213.044 ; 75.819,213.044 ccw(c74.614,213.044) 75.466,213.896 cw(c74.614,213.044) 75.819,213.044 ; 77.26,212.471 cw(c77.26,211.626) 77.858,212.224 ccw(c77.26,211.626) 77.26,212.471 ; 77.26,212.471 ccw(c77.26,213.316) 77.858,212.718 cw(c77.26,213.316) 77.26,212.471
NetC8_1: C8.1 R21.2 TP3.1 U4.1 | length 59.1
  Bottom Layer w0.5: R21.2@87.884,163.703 86.106,163.703 85.598,164.211 85.598,170.18 87.249,171.831 87.249,179.324 U4.1@85.344,181.229 83.653,182.92 C8.1@83.653,187.579 88.646,187.579 TP3.1@92.075,191.008 ; 83.653,186.553 cw(c84.679,186.553) C8.1@83.954,187.278 ; 83.653,186.553 ccw(c82.627,186.553) 83.353,187.278 cw(c82.627,186.553) 83.653,186.553 ; 83.653,186.553 cw(c84.679,186.553) C8.1@83.954,187.278 ; C8.1@83.954,187.278 cw(c84.679,186.553) 84.679,187.579 ; C8.1@83.954,187.278 cw(c84.679,186.553) 84.679,187.579 ; 84.49,182.083 cw(c83.637,181.229) 84.844,181.229 ccw(c83.637,181.229) 84.49,182.083 ; 84.49,182.083 ccw(c85.344,182.936) 85.344,181.729 cw(c85.344,182.936) 84.49,182.083 ; 84.679,187.579 cw(c84.679,188.605) 83.954,187.88 ccw(c84.679,188.605) 84.679,187.579 ; 86.198,180.375 cw(c87.051,181.229) 85.844,181.229 ccw(c87.051,181.229) 86.198,180.375 ; 86.198,180.375 ccw(c85.344,179.522) 85.344,180.729 cw(c85.344,179.522) 86.198,180.375 ; 86.798,163.703 cw(c86.798,162.617) 87.566,163.385 ccw(c86.798,162.617) 86.798,163.703 ; 86.798,163.703 ccw(c86.798,164.789) 87.566,164.021 cw(c86.798,164.789) 86.798,163.703 ; 91.221,190.154 cw(c92.075,189.301) 92.075,190.508 ccw(c92.075,189.301) 91.221,190.154 ; 91.221,190.154 ccw(c90.368,191.008) 91.575,191.008 cw(c90.368,191.008) 91.221,190.154
NetC8_2: C8.2 R19.1 U4.2 | length 28.8
  Bottom Layer w0.5: C8.2@78.653,187.579 81.407,187.579 ; U4.2@82.804,181.229 81.407,182.626 81.407,187.579 ; R19.1@88.138,191.135 84.201,191.135 81.407,188.341 81.407,187.579 ; 79.679,187.579 cw(c79.679,188.605) 78.953,187.88 ccw(c79.679,188.605) 79.679,187.579 ; 79.679,187.579 ccw(c79.679,186.553) 78.953,187.278 cw(c79.679,186.553) 79.679,187.579 ; 81.95,182.083 cw(c81.097,181.229) 82.304,181.229 ccw(c81.097,181.229) 81.95,182.083 ; 81.95,182.083 ccw(c82.804,182.936) 82.804,181.729 cw(c82.804,182.936) 81.95,182.083 ; 87.052,191.135 cw(c87.052,190.049) 87.82,190.817 ccw(c87.052,190.049) 87.052,191.135 ; 87.052,191.135 ccw(c87.052,192.221) 87.82,191.453 cw(c87.052,192.221) 87.052,191.135
NetD1_1: D1.1 R14.1 R16.2 U3.1 | length 62.7
  Bottom Layer w0.5: U3.1@63.119,181.229 63.119,186.309 R14.1@64.643,187.833 66.271,187.833 67.056,188.618 ; R16.2@64.77,161.798 66.294,161.798 67.056,162.56 67.056,188.618 ; D1.1@70.104,191.666 67.056,188.618 ; 63.119,182.436 cw(c61.912,182.436) 62.765,181.583 ccw(c61.912,182.436) 63.119,182.436 ; 63.119,182.436 ccw(c64.326,182.436) 63.473,181.583 cw(c64.326,182.436) 63.119,182.436 ; 63.875,187.065 cw(c64.643,186.297) 64.643,187.383 ccw(c64.643,186.297) 63.875,187.065 ; 63.875,187.065 ccw(c63.107,187.833) 64.193,187.833 cw(c63.107,187.833) 63.875,187.065 ; 65.729,187.833 cw(c65.729,188.919) 64.961,188.151 ccw(c65.729,188.919) 65.729,187.833 ; 65.729,187.833 ccw(c65.729,186.747) 64.961,187.515 cw(c65.729,186.747) 65.729,187.833 ; 65.856,161.798 cw(c65.856,162.884) 65.088,162.116 ccw(c65.856,162.884) 65.856,161.798 ; 65.856,161.798 ccw(c65.856,160.712) 65.088,161.48 cw(c65.856,160.712) 65.856,161.798 ; 68.824,190.386 cw(c70.104,189.105) 70.104,190.916 ccw(c70.104,189.105) 68.824,190.386 ; 68.824,190.386 ccw(c67.543,191.666) 69.354,191.666 cw(c67.543,191.666) 68.824,190.386
NetD1_2: D1.2 D2.1 R19.2 R25.2 | length 60.8
  Bottom Layer w0.5: R25.2@69.743,179.212 ccw(c68.906,179.835) 69.914,180.105 ; R25.2@69.879,179.333 ccw(c69.536,179.927) 70.199,179.75 ; 70.009,179.75 ccw(c70.672,179.927) R25.2@70.329,179.333 ; D2.1@70.104,166.393 68.654,167.843 68.654,169.384 70.104,170.834 R25.2@70.104,178.943 D1.2@70.104,181.206 70.104,185.547 75.692,191.135 R19.2@77.978,191.135 ; 70.294,180.105 ccw(c71.302,179.835) R25.2@70.465,179.212 ; 68.824,167.673 cw(c67.543,166.393) 69.354,166.393 ccw(c67.543,166.393) 68.824,167.673 ; 68.824,167.673 ccw(c70.104,168.954) 70.104,167.143 cw(c70.104,168.954) 68.824,167.673 ; 70.104,177.857 cw(c71.19,177.857) 70.422,178.625 ccw(c71.19,177.857) 70.104,177.857 ; 70.104,177.857 ccw(c69.018,177.857) 69.786,178.625 cw(c69.018,177.857) 70.104,177.857 ; R25.2@70.104,179.395 cw(c71.915,179.395) 70.634,180.676 ccw(c71.915,179.395) R25.2@70.104,179.395 ; R25.2@70.104,179.395 ccw(c68.293,179.395) 69.574,180.676 cw(c68.293,179.395) R25.2@70.104,179.395 ; 70.104,180.029 cw(c69.018,180.029) 69.786,179.261 ccw(c69.018,180.029) 70.104,180.029 ; 70.104,180.029 ccw(c71.19,180.029) 70.422,179.261 cw(c71.19,180.029) 70.104,180.029 ; 70.104,183.017 cw(c68.293,183.017) 69.574,181.736 ccw(c68.293,183.017) 70.104,183.017 ; 70.104,183.017 ccw(c71.915,183.017) 70.634,181.736 cw(c71.915,183.017) 70.104,183.017 ; 76.892,191.135 cw(c76.892,190.049) 77.66,190.817 ccw(c76.892,190.049) 76.892,191.135 ; 76.892,191.135 ccw(c76.892,192.221) 77.66,191.453 cw(c76.892,192.221) 76.892,191.135
NetD2_2: D2.2 R17.1 U3.7 | length 43.8
  Bottom Layer w0.5: U3.7@60.579,173.609 60.579,165.481 ; R17.1@64.77,165.481 60.579,165.481 ; D2.2@70.104,155.933 61.364,155.933 60.579,156.718 60.579,165.481 ; 60.579,172.402 cw(c61.786,172.402) 60.933,173.255 ccw(c61.786,172.402) 60.579,172.402 ; 60.579,172.402 ccw(c59.372,172.402) 60.225,173.255 cw(c59.372,172.402) 60.579,172.402 ; 63.684,165.481 cw(c63.684,164.395) 64.452,165.163 ccw(c63.684,164.395) 63.684,165.481 ; 63.684,165.481 ccw(c63.684,166.567) 64.452,165.799 cw(c63.684,166.567) 63.684,165.481 ; 68.293,155.933 cw(c68.293,154.122) 69.574,155.403 ccw(c68.293,154.122) 68.293,155.933 ; 68.293,155.933 ccw(c68.293,157.744) 69.574,156.463 cw(c68.293,157.744) 68.293,155.933
NetD3_1: 
NetD3_2: D3.2 D4.2 | length 17.4
  Bottom Layer w0.5: D3.2@92.202,171.069 93.853,171.069 94.615,171.831 94.615,177.038 93.98,177.673 D4.2@92.202,177.673 ; 93.288,171.069 cw(c93.288,172.155) 92.52,171.387 ccw(c93.288,172.155) 93.288,171.069 ; 93.288,171.069 ccw(c93.288,169.983) 92.52,170.751 cw(c93.288,169.983) 93.288,171.069 ; 93.288,177.673 cw(c93.288,178.759) 92.52,177.991 ccw(c93.288,178.759) 93.288,177.673 ; 93.288,177.673 ccw(c93.288,176.587) 92.52,177.355 cw(c93.288,176.587) 93.288,177.673
NetD5_2: D5.2 R26.1 U5.10 | length 46.5
  Bottom Layer w0.5: R26.1@112.522,159.893 D5.2@115.166,159.893 114.427,160.632 114.427,168.91 114.173,169.164 U5.10@112.522,169.164 ; D5.2@114.555,160.328 ccw(c113.783,160.877) 114.603,161.351 ; D5.2@114.631,160.419 ccw(c113.757,161.279) 114.81,161.908 ; 114.761,161.077 ccw(c115.615,161.57) D5.2@115.36,160.617 ; D5.2@114.988,160.068 ccw(c114.234,160.81) 115.142,161.352 ; 113.355,159.893 cw(c113.355,158.082) 114.636,159.363 ccw(c113.355,158.082) 113.355,159.893 ; 113.355,159.893 ccw(c113.355,161.704) 114.636,160.423 cw(c113.355,161.704) 113.355,159.893 ; 113.608,159.893 cw(c113.608,160.979) 112.84,160.211 ccw(c113.608,160.979) 113.608,159.893 ; 113.608,159.893 ccw(c113.608,158.807) 112.84,159.575 cw(c113.608,158.807) 113.608,159.893 ; 113.729,169.164 cw(c113.729,170.371) 112.876,169.518 ccw(c113.729,170.371) 113.729,169.164 ; 113.729,169.164 ccw(c113.729,167.957) 112.876,168.81 cw(c113.729,167.957) 113.729,169.164 ; 114.427,161.074 ccw(c116.347,161.074) 114.989,159.716 cw(c116.347,161.074) 114.427,161.074 ; 114.427,162.281 ccw(c117.554,162.281) 115.343,160.07 cw(c117.554,162.281) 114.427,162.281 ; 114.427,163.488 ccw(c118.761,163.488) 115.696,160.423 cw(c118.761,163.488) 114.427,163.488